# Allegro board 1140022-KU060_PCIE_FIBER_BOARD_V001_pcb166_20240120_1835_pcb.brd (continued)
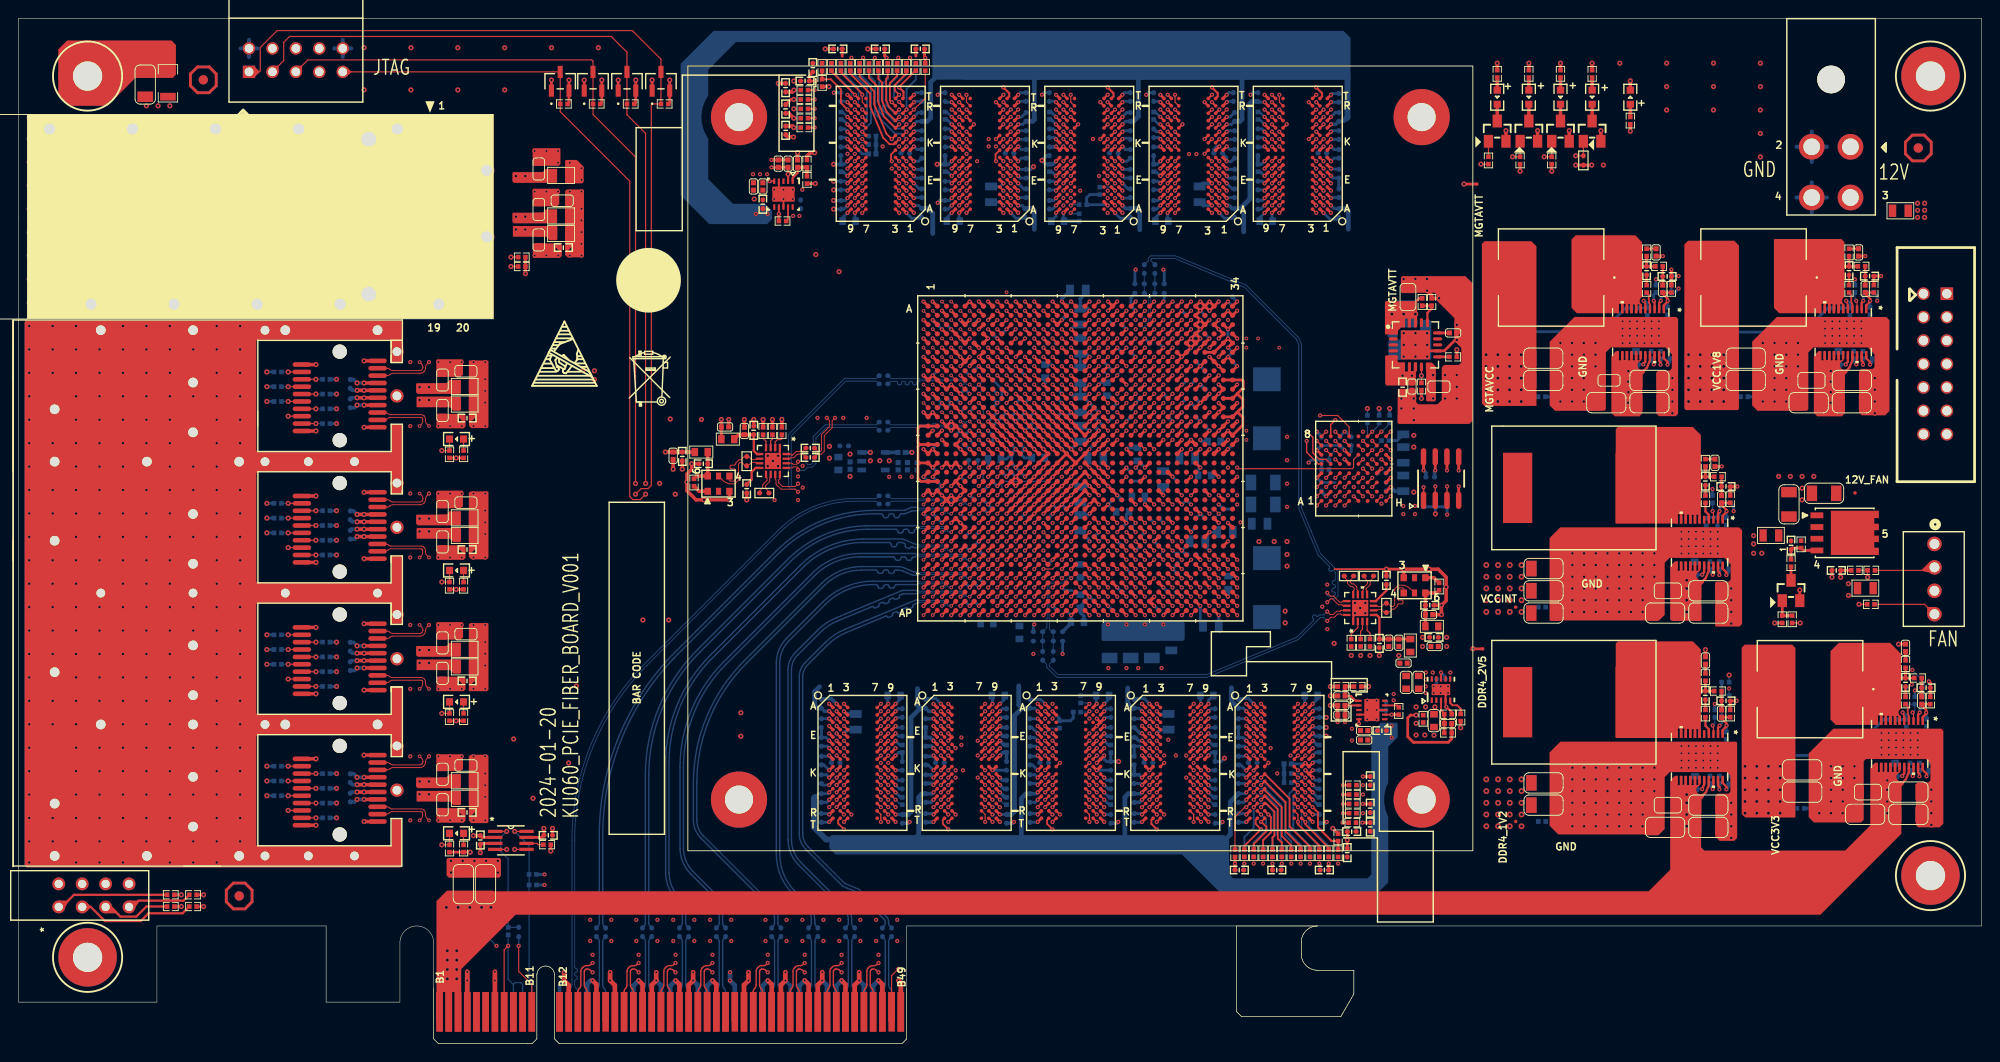
[diagram p0: board, top side]
## Routing (per net, layer and track width the routed paths; a pad name or vN(x,y) marks a point on that pad's centre or on a via; arc(x,y) is an arc through that point) (continued)
  BOTTOM w0.201: v1(96.27,101.27) 96.27,103.51 97.28,104.52 R135.1
CHA_FPGA_DDR4_C2_A7: length 122.3
  TOP w0.229: U9.R8 v1(124.58,102.07) ; U13.R8 v1(101.97,102.07) ; U1.D29 v1(127.11,77.45) ; U12.R8 v1(113.27,102.07) ; U11.R8 v1(90.67,102.07) ; U10.R8 v1(135.88,102.07)
  ART03 w0.086: v1(90.67,102.07) 91.92,102.07 94.28,104.42 97.51,104.42 98.27,103.66 99.67,103.66 99.76,103.74 99.76,103.8 99.84,103.89 100.02,103.89 100.1,103.8 100.1,103.74 100.19,103.66 100.97,103.66 101.57,103.05 101.57,102.59 101.97,102.19 v1(101.97,102.07) 103.23,102.07 105.58,104.42 108.81,104.42 109.58,103.66 110.97,103.66 111.06,103.74 111.06,103.8 111.15,103.89 111.32,103.89 111.4,103.8 111.4,103.74 111.49,103.66 112.27,103.66 112.88,103.05 112.88,102.59 113.27,102.19 v1(113.27,102.07) 114.53,102.07 116.88,104.42 120.11,104.42 120.88,103.66 122.28,103.66 122.36,103.74 122.36,103.8 122.45,103.89 122.62,103.89 122.71,103.8 122.71,103.74 122.79,103.66 123.57,103.66 124.18,103.05 124.18,102.59 124.58,102.19 v1(124.58,102.07) 125.83,102.07 128.18,104.42 131.42,104.42 132.18,103.66 133.58,103.66 133.66,103.74 133.66,103.8 133.75,103.89 133.92,103.89 134.01,103.8 134.01,103.74 134.1,103.66 134.87,103.66 135.48,103.05 135.48,102.59 135.88,102.19 v1(135.88,102.07)
  ART03 w0.155: v1(127.11,77.45) 127.61,77.95 128.4,77.95 128.6,78.16 128.6,78.71 128.88,78.99 129.46,78.99 130.58,80.11 130.58,80.72 130.84,80.98 142.11,80.98 144.93,83.8 144.93,90.2 144.78,90.35 144.42,90.35 144.27,90.5 144.27,90.88 144.43,91.03 144.78,91.03 144.93,91.19 144.93,91.5 144.78,91.65 144.4,91.65 144.25,91.81 144.25,92.12 144.4,92.27 144.85,92.27 145.01,92.43 145.01,92.74 144.85,92.89 144.33,92.89 144.17,93.05 144.17,93.36 144.33,93.51 144.85,93.51 145.01,93.67 145.01,93.98 144.85,94.13 144.33,94.13 144.17,94.29 144.17,94.6 144.33,94.75 144.85,94.75 145.01,94.91 145.01,95.22 144.85,95.37 144.33,95.37 144.17,95.53 144.17,95.84 144.33,95.99 144.8,95.99 144.96,96.15 144.96,96.46 144.8,96.61 144.33,96.61 144.17,96.77 144.17,103.86 142.51,105.53 139.48,105.53 137.83,103.88 137.83,102.66 137.24,102.07 v1(135.88,102.07)
  BOTTOM w0.127: v1(90.67,102.07) 90.27,102.47 90.27,103.35
  BOTTOM w0.201: R136.1 90.27,103.35
CHA_FPGA_DDR4_C2_A8: length 123.4
  TOP w0.229: v1(95.47,102.1) 95.47,102.07 U11.R2 ; U1.D26 v1(124.11,77.45) ; U13.R2 v1(106.77,102.07) ; U12.R2 v1(118.07,102.07) ; U9.R2 v1(129.38,102.07) ; U10.R2 v1(140.68,102.07)
  ART05 w0.086: v1(140.68,102.07) 140.55,102.07 140.38,102.14 137.77,104.75 131.5,104.75 131.28,104.54 131.28,104.39 131.13,104.23 130.98,104.23 130.02,103.28 130.02,103.04 v1(129.38,102.07) 129.25,102.07 129.07,102.14 126.47,104.75 120.19,104.75 119.98,104.54 119.98,104.39 119.83,104.23 119.67,104.23 118.72,103.28 118.72,103.04 v1(118.07,102.07) 117.94,102.07 117.77,102.14 115.16,104.75 108.89,104.75 108.68,104.54 108.68,104.39 108.52,104.23 108.37,104.23 107.42,103.28 107.42,103.04 v1(106.77,102.07) 106.64,102.07 106.47,102.14 103.86,104.75 97.59,104.75 97.37,104.54 97.37,104.39 97.22,104.23 97.07,104.23 96.11,103.28 96.11,102.97 95.93,102.79 v1(95.47,102.1)
  ART12 w0.137: 142.64,102.47 142.09,102.47 141.7,102.07 v1(140.68,102.07)
  ART12 w0.155: 142.64,102.47 142.97,102.47 144.25,101.19 144.25,89.05 142.77,87.58 140.79,87.58 140.37,88 140.15,88 139.91,87.76 139.91,87.55 140.43,87.03 140.43,86.81 140.21,86.59 139.99,86.59 139.19,87.39 138.97,87.39 138.76,87.17 138.76,86.95 139.56,86.16 139.56,85.94 139.34,85.72 139.12,85.72 138.32,86.51 138.1,86.51 137.88,86.3 137.88,86.08 138.68,85.28 138.68,85.06 138.46,84.84 138.24,84.84 137.44,85.64 137.23,85.64 137.01,85.42 137.01,85.2 137.8,84.4 137.8,84.18 137.58,83.96 137.36,83.96 136.57,84.76 136.35,84.76 136.13,84.54 136.13,84.32 136.88,83.58 136.88,83.36 136.66,83.14 136.44,83.14 135.69,83.88 135.47,83.88 135.25,83.67 135.25,83.45 136.01,82.69 136.01,82.47 135.79,82.25 135.57,82.25 134.81,83.01 134.6,83.01 134.31,82.73 134.31,82.51 134.88,81.94 134.88,81.72 134.66,81.5 134.44,81.5 133.88,82.07 133.66,82.07 132.59,81 132.59,80.65 132.89,80.34 132.89,80.03 132.59,79.73 132.59,79.17 132.07,78.65 132.07,77.76 131.27,76.96 124.26,76.96 124.11,77.12 v1(124.11,77.45)
  BOTTOM w0.201: v1(95.47,102.1) 94.92,102.64 94.92,103.76 96.26,105.1 R137.1
CHA_FPGA_DDR4_C2_A9: length 120.4
  TOP w0.127: v1(91.47,102.87) 91.47,102.07 U11.R7 ; v1(125.38,102.87) 125.38,102.07 U9.R7 ; v1(114.07,102.87) 114.07,102.07 U12.R7 ; U13.R7 102.77,102.07 v1(102.77,102.87) ; v1(136.68,102.87) 136.68,102.07 U10.R7
  TOP w0.201: R138.1 89.15,105.29 91.47,102.97 v1(91.47,102.87)
  TOP w0.229: U1.A29 v1(127.11,80.45)
  ART03 w0.086: v1(91.47,102.87) 93.78,105.19 98.74,105.19 98.83,105.1 98.83,104.84 98.91,104.75 99.09,104.75 99.17,104.84 99.17,105.1 99.26,105.19 100.25,105.19 100.6,105.04 v1(102.77,102.87) 105.09,105.19 110.04,105.19 110.13,105.1 110.13,104.84 110.22,104.75 110.39,104.75 110.47,104.84 110.47,105.1 110.56,105.19 111.55,105.19 111.91,105.04 v1(114.07,102.87) 116.39,105.19 121.35,105.19 121.43,105.1 121.43,104.84 121.52,104.75 121.69,104.75 121.78,104.84 121.78,105.1 121.86,105.19 122.85,105.19 123.21,105.04 v1(125.38,102.87) 127.69,105.19 132.65,105.19 132.74,105.1 132.74,104.84 132.82,104.75 132.99,104.75 133.08,104.84 133.08,105.1 133.17,105.19 134.16,105.19 134.51,105.04 v1(136.68,102.87)
  ART10 w0.155: v1(127.11,80.45) 127.34,80.45 128.07,81.18 143.08,81.18 149.25,87.35 149.25,101.5 147.7,103.05 143.05,103.05 141.94,104.17 139.55,104.17 139.33,103.95 139.33,103.73 139.43,103.63 139.43,103.41 139.21,103.19 138.99,103.19 138.89,103.29 138.67,103.29 138.25,102.87 v1(136.68,102.87)
CHA_FPGA_DDR4_C2_A10: length 124.6
  TOP w0.201: R139.1 92.2,104.7 93.17,103.73 93.17,102.14 93.85,100.48 U11.M3
  TOP w0.229: U11.M3 v1(95.47,99.67) ; U9.M3 v1(129.38,99.67) ; U13.M3 v1(106.77,99.67) ; U10.M3 v1(140.68,99.67) ; U12.M3 v1(118.07,99.67) ; U1.A23 v1(121.11,80.45)
  ART05 w0.086: v1(95.47,99.67) 95.88,100.08 97.68,100.08 99.63,102.03 99.82,102.03 100.09,102.29 100.51,102.47 102.35,102.47 102.44,102.38 102.44,102.32 102.53,102.23 102.7,102.23 102.78,102.32 102.78,102.38 102.87,102.47 103.09,102.47 105.89,99.67 v1(106.77,99.67) 106.99,99.67 107.4,100.08 108.98,100.08 110.93,102.03 111.13,102.03 111.39,102.29 111.81,102.47 113.66,102.47 113.74,102.38 113.74,102.32 113.83,102.23 114,102.23 114.09,102.32 114.09,102.38 114.17,102.47 114.39,102.47 117.19,99.67 v1(118.07,99.67) 118.29,99.67 118.7,100.08 120.29,100.08 122.24,102.03 122.43,102.03 122.69,102.29 123.12,102.47 124.96,102.47 125.04,102.38 125.04,102.32 125.13,102.23 125.3,102.23 125.39,102.32 125.39,102.38 125.48,102.47 125.7,102.47 128.49,99.67 v1(129.38,99.67) 129.59,99.67 130,100.08 131.59,100.08 133.54,102.03 133.73,102.03 133.99,102.29 134.42,102.47 136.26,102.47 136.35,102.38 136.35,102.32 136.43,102.23 136.61,102.23 136.69,102.32 136.69,102.38 136.78,102.47 137,102.47 139.8,99.67 v1(140.68,99.67)
  ART12 w0.137: 140.5,97.67 140.85,97.67 141.08,97.9 141.08,98.32 140.92,98.47 140.41,98.47 140.18,98.7 140.18,99.17 v1(140.68,99.67)
  ART12 w0.155: v1(121.11,80.45) 121.22,80.45 122.63,81.86 129.24,81.86 132.13,84.76 132.13,85 132.29,85.15 132.59,85.15 132.74,85.3 132.74,85.61 132.59,85.77 132.29,85.77 132.13,85.92 132.13,86.27 132.29,86.43 133.8,86.43 133.96,86.58 133.96,86.89 133.8,87.05 132.29,87.05 132.13,87.2 132.13,90.13 132.29,90.29 134.47,90.29 134.62,90.44 134.62,90.75 134.47,90.91 132.16,90.91 132,91.06 132,91.37 132.16,91.53 134.47,91.53 134.62,91.68 134.62,91.99 134.47,92.15 132.16,92.15 132,92.3 132,92.61 132.16,92.77 134.47,92.77 134.62,92.92 134.62,93.23 134.47,93.39 132.16,93.39 132,93.54 132,93.85 132.16,94.01 134.47,94.01 134.62,94.16 134.62,94.59 134.47,94.75 133.15,94.75 132.99,94.9 132.99,95.21 133.15,95.37 134.47,95.37 134.62,95.52 134.62,96.06 134.77,96.22 137.19,96.22 137.52,96.55 137.52,97.41 137.67,97.56 140.39,97.56 140.5,97.67
CHA_FPGA_DDR4_C2_A11: length 123.7
  TOP w0.201: R140.1 97.22,105.49 95.47,103.73 v1(95.47,103.67)
  TOP w0.229: v1(118.07,103.67) 118.7,103.04 118.7,102.7 U12.T2 ; U1.E27 v1(125.11,76.45) ; U11.T2 95.94,102.54 95.94,103.2 v1(95.47,103.67) ; v1(106.77,103.67) 107.4,103.04 107.4,102.7 U13.T2 ; U10.T2 141.31,102.7 141.31,103.04 v1(140.68,103.67) ; U9.T2 130.01,102.7 130.01,103.04 v1(129.38,103.67)
  ART05 w0.086: v1(140.68,103.67) 140.4,103.67 140.4,103.67 138.86,105.2 138.55,105.33 130.58,105.33 130.4,105.15 130.4,105.03 130.51,104.92 130.51,104.8 130.38,104.68 130.26,104.68 130.16,104.79 130.03,104.79 129.91,104.66 129.91,104.54 130.03,104.42 130.03,104.3 129.91,104.18 129.79,104.18 129.67,104.3 129.54,104.3 129.38,104.13 v1(129.38,103.67) 129.09,103.67 127.56,105.2 127.25,105.33 119.28,105.33 119.1,105.15 119.1,105.03 119.2,104.92 119.2,104.8 119.08,104.68 118.96,104.68 118.85,104.79 118.73,104.79 118.61,104.66 118.61,104.54 118.73,104.42 118.73,104.3 118.61,104.18 118.48,104.18 118.36,104.3 118.24,104.3 118.07,104.13 v1(118.07,103.67) 117.79,103.67 117.79,103.67 116.26,105.2 115.95,105.33 107.98,105.33 107.79,105.15 107.79,105.03 107.9,104.92 107.9,104.8 107.78,104.68 107.66,104.68 107.55,104.79 107.43,104.79 107.3,104.66 107.3,104.54 107.42,104.42 107.42,104.3 107.3,104.18 107.18,104.18 107.06,104.3 106.94,104.3 106.77,104.13 v1(106.77,103.67) 106.49,103.67 104.96,105.2 104.64,105.33 96.67,105.33 96.49,105.15 96.49,105.03 96.6,104.92 96.6,104.8 96.48,104.68 96.35,104.68 96.25,104.79 96.12,104.79 96,104.66 96,104.54 96.12,104.42 96.12,104.3 96,104.18 95.88,104.18 95.76,104.3 95.64,104.3 95.47,104.13 v1(95.47,103.67)
  ART12 w0.155: v1(125.11,76.45) 125.11,76.1 125.26,75.95 129.63,75.95 129.79,75.79 129.79,75.59 129.94,75.44 130.25,75.44 130.41,75.59 130.41,75.79 130.56,75.95 131.34,75.95 131.6,76.2 131.6,76.56 132.69,77.65 132.69,78.46 133.25,79.02 133.25,79.24 133.12,79.38 133.12,79.6 133.34,79.82 133.55,79.82 133.69,79.68 133.91,79.68 134.13,79.9 134.13,80.12 133.37,80.88 133.37,81.1 133.59,81.32 133.81,81.32 134.57,80.56 134.79,80.56 135.01,80.78 135.01,81.14 135.27,81.4 135.63,81.4 137.76,83.53 137.98,83.53 138.59,82.93 138.81,82.93 139.03,83.15 139.03,83.36 138.42,83.97 138.42,84.19 138.64,84.41 138.86,84.41 139.46,83.8 139.68,83.8 139.9,84.02 139.9,84.24 139.3,84.85 139.3,85.07 139.52,85.29 139.73,85.29 140.34,84.68 140.56,84.68 140.78,84.9 140.78,85.12 140.17,85.72 140.17,85.94 140.39,86.16 140.61,86.16 141.22,85.56 141.44,85.56 141.66,85.78 141.66,85.99 141.05,86.6 141.05,86.82 141.3,87.07 141.55,87.07 142.13,86.5 142.35,86.5 144.75,88.9 144.75,101.4 142.48,103.67 141.92,103.67 141.76,103.52 141.76,102.92 141.61,102.77 141.3,102.77 141.14,102.92 141.14,103.52 140.99,103.67 v1(140.68,103.67)
CHA_FPGA_DDR4_C2_A12: length 123.3
  TOP w0.229: U11.M7 v1(91.47,99.67) ; U13.M7 v1(103.57,99.67) ; U1.A27 v1(125.11,80.45) ; U10.M7 v1(137.48,99.67) ; U12.M7 v1(114.87,99.67) ; U9.M7 v1(126.18,99.67)
  ART03 w0.086: v1(91.47,99.67) 94.69,99.67 95.09,100.08 97.86,100.08 99.49,98.45 100.08,98.45 100.3,98.68 100.6,98.68 100.83,98.45 101.37,98.45 101.57,98.65 101.57,99.01 101.83,99.26 102.18,99.26 102.49,99.57 103.47,99.57 v1(103.57,99.67) 105.99,99.67 106.4,100.08 108.97,100.08 110.59,98.45 110.89,98.45 110.98,98.54 110.98,98.72 111.06,98.81 111.24,98.81 111.32,98.72 111.32,98.54 111.41,98.45 111.58,98.45 111.67,98.54 111.67,98.69 111.75,98.78 111.93,98.78 112.01,98.69 112.01,98.54 112.1,98.45 112.67,98.45 112.88,98.65 112.88,99.06 113.08,99.26 113.49,99.26 113.79,99.57 114.77,99.57 v1(114.87,99.67) 117.29,99.67 117.7,100.08 120.27,100.08 121.89,98.45 122.19,98.45 122.28,98.54 122.28,98.72 122.37,98.81 122.54,98.81 122.62,98.72 122.62,98.54 122.71,98.45 122.88,98.45 122.97,98.54 122.97,98.69 123.06,98.78 123.23,98.78 123.32,98.69 123.32,98.54 123.4,98.45 123.98,98.45 124.18,98.65 124.18,99.06 124.38,99.26 124.79,99.26 125.09,99.57 126.07,99.57 v1(126.18,99.67) 128.6,99.67 129,100.08 131.57,100.08 133.2,98.45 133.5,98.45 133.58,98.54 133.58,98.72 133.67,98.81 133.84,98.81 133.93,98.72 133.93,98.54 134.01,98.45 134.19,98.45 134.27,98.54 134.27,98.69 134.36,98.78 134.53,98.78 134.62,98.69 134.62,98.54 134.71,98.45 135.28,98.45 135.48,98.65 135.48,99.06 135.69,99.26 136.09,99.26 136.4,99.57 137.38,99.57 v1(137.48,99.67)
  ART10 w0.137: 142.72,100.89 142.7,100.87 140.41,100.87
  ART10 w0.155: 140.41,100.87 140.39,100.89 140.19,100.89 139.91,100.61 139.57,100.61 139.29,100.89 138.73,100.89 137.52,99.67 v1(137.48,99.67) ; 142.72,100.89 143.1,100.89 143.26,100.73 143.26,100.41 143.41,100.25 143.72,100.25 143.88,100.41 143.88,100.73 144.03,100.89 144.34,100.89 144.5,100.73 144.5,100.41 144.65,100.25 144.96,100.25 145.12,100.41 145.12,100.73 145.27,100.89 147.5,100.89 147.65,100.73 147.65,94.08 147.5,93.92 147.22,93.92 147.07,93.77 147.07,93.46 147.22,93.3 147.5,93.3 147.65,93.15 147.65,92.8 147.5,92.64 146.71,92.64 146.56,92.49 146.56,92.18 146.71,92.02 147.5,92.02 147.65,91.87 147.65,91.56 147.5,91.4 146.71,91.4 146.56,91.25 146.56,90.94 146.71,90.78 147.5,90.78 147.65,90.63 147.65,90.32 147.5,90.16 146.71,90.16 146.56,90.01 146.56,89.7 146.71,89.54 147.5,89.54 147.65,89.39 147.65,89.08 147.5,88.92 146.71,88.92 146.56,88.77 146.56,88.01 141.25,82.7 127.03,82.7 125.11,80.79 v1(125.11,80.45)
  BOTTOM w0.201: v1(91.47,99.67) 91.59,99.67 91.97,100.05 91.97,103.68 R141.1
CHA_FPGA_DDR4_C2_A13: length 123.3
  TOP w0.201: R142.1 88.13,105.41 v1(90.67,102.87)
  TOP w0.229: U12.T8 v1(113.27,102.87) ; U1.E28 v1(126.11,76.45) ; U11.T8 v1(90.67,102.87) ; U9.T8 v1(124.58,102.87) ; U10.T8 v1(135.88,102.87) ; U13.T8 v1(101.97,102.87)
  ART03 w0.086: v1(90.67,102.87) 91.1,102.44 91.66,102.44 94.02,104.8 98.09,104.8 98.45,104.44 98.82,104.44 98.91,104.36 98.91,104.23 98.99,104.14 99.17,104.14 99.25,104.23 99.25,104.36 99.34,104.44 100.62,104.44 100.82,104.37 101.97,103.21 v1(101.97,102.87) 102.4,102.44 102.96,102.44 105.32,104.8 109.4,104.8 109.76,104.44 110.12,104.44 110.21,104.36 110.21,104.23 110.3,104.14 110.47,104.14 110.56,104.23 110.56,104.36 110.64,104.44 111.93,104.44 112.12,104.37 113.27,103.21 v1(113.27,102.87) 113.7,102.44 114.27,102.44 116.63,104.8 120.7,104.8 121.06,104.44 121.43,104.44 121.51,104.36 121.51,104.23 121.6,104.14 121.77,104.14 121.86,104.23 121.86,104.36 121.95,104.44 123.23,104.44 123.42,104.37 124.58,103.21 v1(124.58,102.87) 125.01,102.44 125.57,102.44 127.93,104.8 132,104.8 132.36,104.44 132.73,104.44 132.82,104.36 132.82,104.23 132.9,104.14 133.08,104.14 133.16,104.23 133.16,104.36 133.25,104.44 134.53,104.44 134.72,104.37 135.88,103.21 v1(135.88,102.87)
  ART03 w0.155: v1(126.11,76.45) 126.64,76.99 128.5,76.99 129.57,78.05 129.57,78.61 130.94,79.98 132.49,79.98 132.72,80.21 142.24,80.21 145.48,83.45 145.48,96.94 145.32,97.09 144.96,97.09 144.81,97.25 144.81,97.56 144.96,97.71 145.39,97.71 145.54,97.86 145.54,98.17 145.39,98.33 144.96,98.33 144.81,98.48 144.81,98.79 144.96,98.95 145.41,98.95 145.57,99.1 145.57,99.41 145.41,99.57 144.96,99.57 144.81,99.72 144.81,100.03 144.96,100.19 145.32,100.19 145.48,100.34 145.48,100.65 145.32,100.81 144.96,100.81 144.81,100.96 144.81,101.27 144.96,101.43 145.32,101.43 145.48,101.58 145.48,101.89 145.32,102.05 144.96,102.05 144.81,102.2 144.81,102.51 144.96,102.67 145.32,102.67 145.48,102.82 145.48,103.26 142.8,105.94 139.41,105.94 137.49,104.02 137.49,102.8 137.1,102.41 136.4,102.41 135.94,102.87 v1(135.88,102.87)
CHA_FPGA_DDR4_C2_ACT: length 127.9
  TOP w0.201: R156.1 91.18,104.83 92.76,103.25 92.76,101.86 94.09,98.65 v1(94.67,98.07) ; U10.L3 v1(139.88,98.07)
  TOP w0.229: U13.L3 v1(105.97,98.07) ; v1(119.11,79.45) U1.B21 ; U11.L3 v1(94.67,98.07) ; U12.L3 v1(117.27,98.07) ; U9.L3 v1(128.58,98.07)
  ART03 w0.086: v1(139.88,98.07) 139.02,98.07 138.61,97.66 138.35,97.66 138.26,97.75 138.26,97.93 138.17,98.02 138,98.02 137.92,97.93 137.92,97.75 137.83,97.66 137.66,97.66 137.57,97.75 137.57,97.93 137.48,98.02 137.31,98.02 137.22,97.93 137.22,97.75 137.14,97.66 136.53,97.66 136.3,97.43 136.3,97.05 136.12,96.88 135.71,96.88 135.33,96.5 132.78,96.5 131.61,97.66 128.98,97.66 v1(128.58,98.07) 127.71,98.07 127.31,97.66 127.04,97.66 126.96,97.75 126.96,97.93 126.87,98.02 126.7,98.02 126.61,97.93 126.61,97.75 126.53,97.66 126.35,97.66 126.27,97.75 126.27,97.93 126.18,98.02 126.01,98.02 125.92,97.93 125.92,97.75 125.84,97.66 125.22,97.66 124.99,97.43 124.99,97.05 124.82,96.88 124.41,96.88 124.03,96.5 123.47,96.5 122.95,97.02 121.83,97.02 121.74,97.05 121.13,97.66 117.68,97.66 v1(117.27,98.07) 116.87,97.66 115.74,97.66 115.66,97.75 115.66,97.93 115.57,98.02 115.4,98.02 115.31,97.93 115.31,97.75 115.22,97.66 115.05,97.66 114.96,97.75 114.96,97.93 114.88,98.02 114.71,98.02 114.62,97.93 114.62,97.75 114.53,97.66 113.92,97.66 113.69,97.43 113.69,97.05 113.51,96.88 113.03,96.88 112.7,96.55 110.13,96.55 109.01,97.66 106.43,97.66 106.02,98.07 v1(105.97,98.07) 105.56,97.66 104.44,97.66 104.35,97.75 104.35,97.93 104.27,98.02 104.09,98.02 104.01,97.93 104.01,97.75 103.92,97.66 103.75,97.66 103.66,97.75 103.66,97.93 103.57,98.02 103.4,98.02 103.32,97.93 103.32,97.75 103.23,97.66 102.62,97.66 102.39,97.43 102.39,97.05 101.83,96.49 98.87,96.49 97.7,97.66 95.08,97.66 v1(94.67,98.07)
  ART12 w0.155: v1(139.88,98.07) 137.34,98.07 137.13,97.87 137.13,96.93 136.86,96.65 134.19,96.65 134.04,96.49 134.04,96.22 133.88,96.06 133.58,96.06 133.42,96.22 133.42,96.49 133.27,96.65 132.96,96.65 132.8,96.49 132.8,96.22 132.65,96.06 132.34,96.06 132.18,96.22 132.18,96.49 132.03,96.65 131.63,96.65 131.47,96.49 131.47,95.43 131.63,95.28 132.41,95.28 132.56,95.12 132.56,94.81 132.41,94.66 131.63,94.66 131.47,94.5 131.47,89.71 131.39,89.64 131.39,87.35 130.83,86.78 130.83,86.56 131.8,85.59 131.8,85.37 131.58,85.15 131.36,85.15 130.39,86.13 130.17,86.13 129.95,85.91 129.95,85.69 130.93,84.71 130.93,84.49 130.71,84.27 130.49,84.27 129.51,85.25 129.29,85.25 129.07,85.03 129.07,84.81 130.05,83.84 130.05,83.62 129.83,83.4 129.61,83.4 128.64,84.37 128.42,84.37 128.2,84.15 128.2,83.93 129.17,82.96 129.17,82.74 128.95,82.52 128.73,82.52 127.89,83.36 127.67,83.36 127.51,83.21 127.51,82.5 127.36,82.35 127.05,82.35 126.89,82.5 126.89,83.21 126.74,83.36 126.43,83.36 126.27,83.21 126.27,82.5 126.12,82.35 125.81,82.35 125.65,82.5 125.65,83.21 125.5,83.36 125.19,83.36 125.03,83.21 125.03,82.5 124.88,82.35 124.57,82.35 124.41,82.5 124.41,83.21 124.26,83.36 123.95,83.36 123.79,83.21 123.79,82.5 123.64,82.35 123.33,82.35 123.17,82.5 123.17,83.21 123.02,83.36 122.71,83.36 122.55,83.21 122.55,82.5 122.4,82.35 122.09,82.35 121.93,82.5 121.93,83.21 121.78,83.36 121.46,83.36 120.95,82.85 120.95,82.63 121.39,82.19 121.39,81.97 121.17,81.75 120.95,81.75 120.51,82.19 120.29,82.19 119.76,81.66 119.76,80.1 v1(119.11,79.45)
CHA_FPGA_DDR4_C2_ALERT: length 134.4
  TOP w0.145: U1.C21 v1(119.11,78.45)
  TOP w0.155: U12.P9 v1(112.47,101.27) ; U9.P9 v1(123.78,101.27) ; U13.P9 v1(101.17,101.27) ; U10.P9 v1(135.08,101.27)
  TOP w0.201: v1(89.87,101.27) 89.16,101.98 89.16,103.45 88.05,104.56 R127.2
  TOP w0.229: U11.P9 v1(89.87,101.27) ; R127.2 R126.2
  ART12 w0.086: v1(89.87,101.27) 90.25,101.65 100.79,101.65 v1(101.17,101.27) 101.55,101.65 112.09,101.65 v1(112.47,101.27) 112.88,101.68 123.37,101.68 v1(123.78,101.27) 124.18,101.68 134.67,101.68 v1(135.08,101.27)
  ART12 w0.137: 136.37,101.67 135.58,101.67 135.18,101.27 v1(135.08,101.27)
  ART12 w0.155: v1(119.11,78.45) 119.58,77.98 119.58,75.29 119.91,74.96 122.45,74.96 122.68,74.73 122.68,74.19 122.91,73.96 123.39,73.96 123.62,73.74 123.62,73.23 123.85,73 124.18,73 124.56,72.62 124.56,72.24 124.84,71.96 128.37,71.96 129.34,70.99 134.95,70.99 149.15,85.19 149.15,102.95 145.16,106.93 139.6,106.93 137.36,104.7 137.36,102.67 136.37,101.67
CHA_FPGA_DDR4_C2_BA0: length 123.5
  TOP w0.229: U13.N2 v1(107.57,100.47) ; U10.N2 v1(141.48,100.47) ; U9.N2 v1(130.18,100.47) ; U12.N2 v1(118.87,100.47) ; U1.C27 v1(125.11,78.45) ; U11.N2 v1(96.27,100.47)
  ART05 w0.086: v1(141.48,100.47) 141.31,100.47 140.92,100.08 140.03,100.08 136.85,103.26 134.57,103.26 133.76,102.45 133.37,102.45 133.06,102.32 131.9,101.16 131.2,100.87 130.71,100.87 130.32,100.47 v1(130.18,100.47) 130.01,100.47 129.62,100.08 128.72,100.08 125.54,103.26 123.27,103.26 122.46,102.45 122.07,102.45 121.76,102.32 120.6,101.16 119.9,100.87 119.41,100.87 119.01,100.47 v1(118.87,100.47) 118.71,100.47 118.31,100.08 117.42,100.08 114.24,103.26 111.96,103.26 111.15,102.45 110.77,102.45 110.46,102.32 109.3,101.16 108.6,100.87 108.11,100.87 107.71,100.47 v1(107.57,100.47) 107.41,100.47 107.01,100.08 106.12,100.08 102.94,103.26 100.66,103.26 99.85,102.45 99.46,102.45 99.15,102.32 97.99,101.16 97.3,100.87 96.8,100.87 96.41,100.47 v1(96.27,100.47)
  ART12 w0.137: 142.65,94.59 142.53,94.47 140.33,94.47 140.24,94.56 ; v1(141.48,100.47) 141.7,100.47 142.09,100.87 142.69,100.87
  ART12 w0.155: 140.24,94.56 138.44,94.56 138.29,94.4 138.29,94.05 138.44,93.9 140.1,93.9 140.26,93.74 140.26,93.43 140.1,93.28 138.44,93.28 138.29,93.12 138.29,92.81 138.44,92.66 140.1,92.66 140.26,92.5 140.26,92.19 140.1,92.04 138.44,92.04 138.29,91.88 138.29,91.57 138.44,91.42 140.1,91.42 140.26,91.26 140.26,90.95 140.1,90.8 138.53,90.8 138.38,90.64 138.38,90.34 138.53,90.18 139.55,90.18 139.7,90.03 139.7,89.72 139.55,89.56 138.51,89.56 138.35,89.41 138.35,89.18 138.69,88.85 138.69,88.63 138.47,88.41 138.25,88.41 137.85,88.81 137.63,88.81 137.41,88.59 137.41,88.37 137.81,87.97 137.81,87.75 137.59,87.53 137.38,87.53 136.97,87.93 136.75,87.93 136.53,87.72 136.53,87.5 136.94,87.09 136.94,86.87 136.72,86.65 136.5,86.65 136.1,87.06 135.88,87.06 135.66,86.84 135.66,86.62 136.06,86.22 136.06,86 135.84,85.78 135.62,85.78 135.22,86.18 135,86.18 131.45,82.63 131.45,82.25 131.2,82 130.82,82 130.61,81.79 130.61,79.15 130.45,78.99 125.91,78.99 125.6,78.69 125.6,78.08 125.45,77.93 124.77,77.93 124.66,78.04 124.66,78.33 124.78,78.45 v1(125.11,78.45) ; 142.65,94.59 142.86,94.81 142.86,96.48 143.26,96.88 143.26,100.61 143,100.87 142.69,100.87
  BOTTOM w0.127: 95.03,100.86 95.86,100.86 96.25,100.47 v1(96.27,100.47)
  BOTTOM w0.201: 95.03,100.86 94.97,100.86 94.11,101.73 94.11,103.68 95.25,104.82 R143.1
CHA_FPGA_DDR4_C2_BA1: length 124.7
  TOP w0.229: U9.N8 v1(124.58,100.47) ; R147.1 v1(86.31,102.36) ; U10.N8 v1(135.88,100.47) ; U11.N8 v1(90.67,100.47) ; U13.N8 v1(101.97,100.47) ; U12.N8 v1(113.27,100.47) ; U1.C28 v1(126.11,78.45)
  ART03 w0.086: 89.69,100.86 90.12,100.86 90.51,100.47 v1(90.67,100.47) 90.82,100.47 91.22,100.87 92.75,100.87 94.37,102.49 97.54,102.49 99.16,100.87 99.51,100.87 99.6,100.95 99.6,101.11 99.69,101.19 99.86,101.19 99.94,101.11 99.94,100.95 100.03,100.87 100.2,100.87 100.29,100.95 100.29,101.11 100.38,101.19 100.55,101.19 100.64,101.11 100.64,100.95 100.72,100.87 101.3,100.87 101.45,100.81 101.78,100.47 v1(101.97,100.47) 102.17,100.47 102.57,100.87 104.05,100.87 105.68,102.49 108.84,102.49 110.46,100.87 110.82,100.87 110.9,100.95 110.9,101.11 110.99,101.19 111.16,101.19 111.25,101.11 111.25,100.95 111.33,100.87 111.51,100.87 111.59,100.95 111.59,101.11 111.68,101.19 111.85,101.19 111.94,101.11 111.94,100.95 112.02,100.87 112.6,100.87 112.75,100.81 113.09,100.47 v1(113.27,100.47) 113.48,100.47 113.87,100.87 115.36,100.87 116.98,102.49 120.14,102.49 121.76,100.87 122.12,100.87 122.2,100.95 122.2,101.11 122.29,101.19 122.46,101.19 122.55,101.11 122.55,100.95 122.64,100.87 122.81,100.87 122.9,100.95 122.9,101.11 122.98,101.19 123.15,101.19 123.24,101.11 123.24,100.95 123.33,100.87 123.91,100.87 124.06,100.81 124.39,100.47 v1(124.58,100.47) 124.78,100.47 125.18,100.87 126.66,100.87 128.28,102.49 131.44,102.49 133.07,100.87 133.42,100.87 133.51,100.95 133.51,101.11 133.59,101.19 133.77,101.19 133.85,101.11 133.85,100.95 133.94,100.87 134.11,100.87 134.2,100.95 134.2,101.11 134.28,101.19 134.46,101.19 134.54,101.11 134.54,100.95 134.63,100.87 135.21,100.87 135.36,100.81 135.69,100.47 v1(135.88,100.47) 136.06,100.47 136.45,100.86 136.86,100.86
  ART03 w0.155: 136.86,100.86 137.87,100.86 139.12,102.11 139.12,103.45 139.85,104.19 141.58,104.19 141.75,104.02 141.75,103.8 141.45,103.5 141.45,103.28 141.67,103.06 141.88,103.06 142.19,103.37 142.41,103.37 142.77,103 142.77,89.76 142.21,89.2 142.21,83.41 141.92,83.12 141.19,83.12 141.03,83.28 141.03,83.77 140.88,83.92 140.57,83.92 140.41,83.77 140.41,83.28 140.26,83.12 139.95,83.12 139.79,83.28 139.79,83.77 139.64,83.92 139.33,83.92 139.17,83.77 139.17,83.28 139.02,83.12 138.71,83.12 138.55,83.28 138.55,83.77 138.4,83.92 138.09,83.92 137.93,83.77 137.93,83.28 137.78,83.12 137.47,83.12 137.31,83.28 137.31,83.77 137.16,83.92 136.85,83.92 136.69,83.77 136.69,83.28 136.54,83.12 136.23,83.12 136.07,83.28 136.07,83.77 135.92,83.92 135.61,83.92 135.45,83.77 135.45,83.28 135.3,83.12 134.99,83.12 134.83,83.28 134.83,83.69 134.68,83.85 134.37,83.85 134.21,83.69 134.21,83.28 134.06,83.12 133.75,83.12 133.59,83.28 133.59,83.64 133.44,83.79 133.13,83.79 132.97,83.64 132.97,83.28 132.82,83.12 132.51,83.12 132.35,83.28 132.35,83.67 132.2,83.82 131.89,83.82 131.73,83.67 131.73,83.28 131.58,83.12 131.27,83.12 131.11,83.28 131.11,83.67 130.96,83.82 130.65,83.82 130.5,83.67 130.5,83.28 130.34,83.12 129.86,83.12 127.56,80.82 127.56,80.29 127.23,79.96 126.87,79.96 126.62,79.71 126.62,79.22 126.11,78.71 v1(126.11,78.45) ; v1(86.31,102.36) 87.04,102.36 88.54,100.86 89.69,100.86
